# KiCad board SparkFun_Thing_Plus_ESP32-S3_panelized.kicad_pcb (continued)
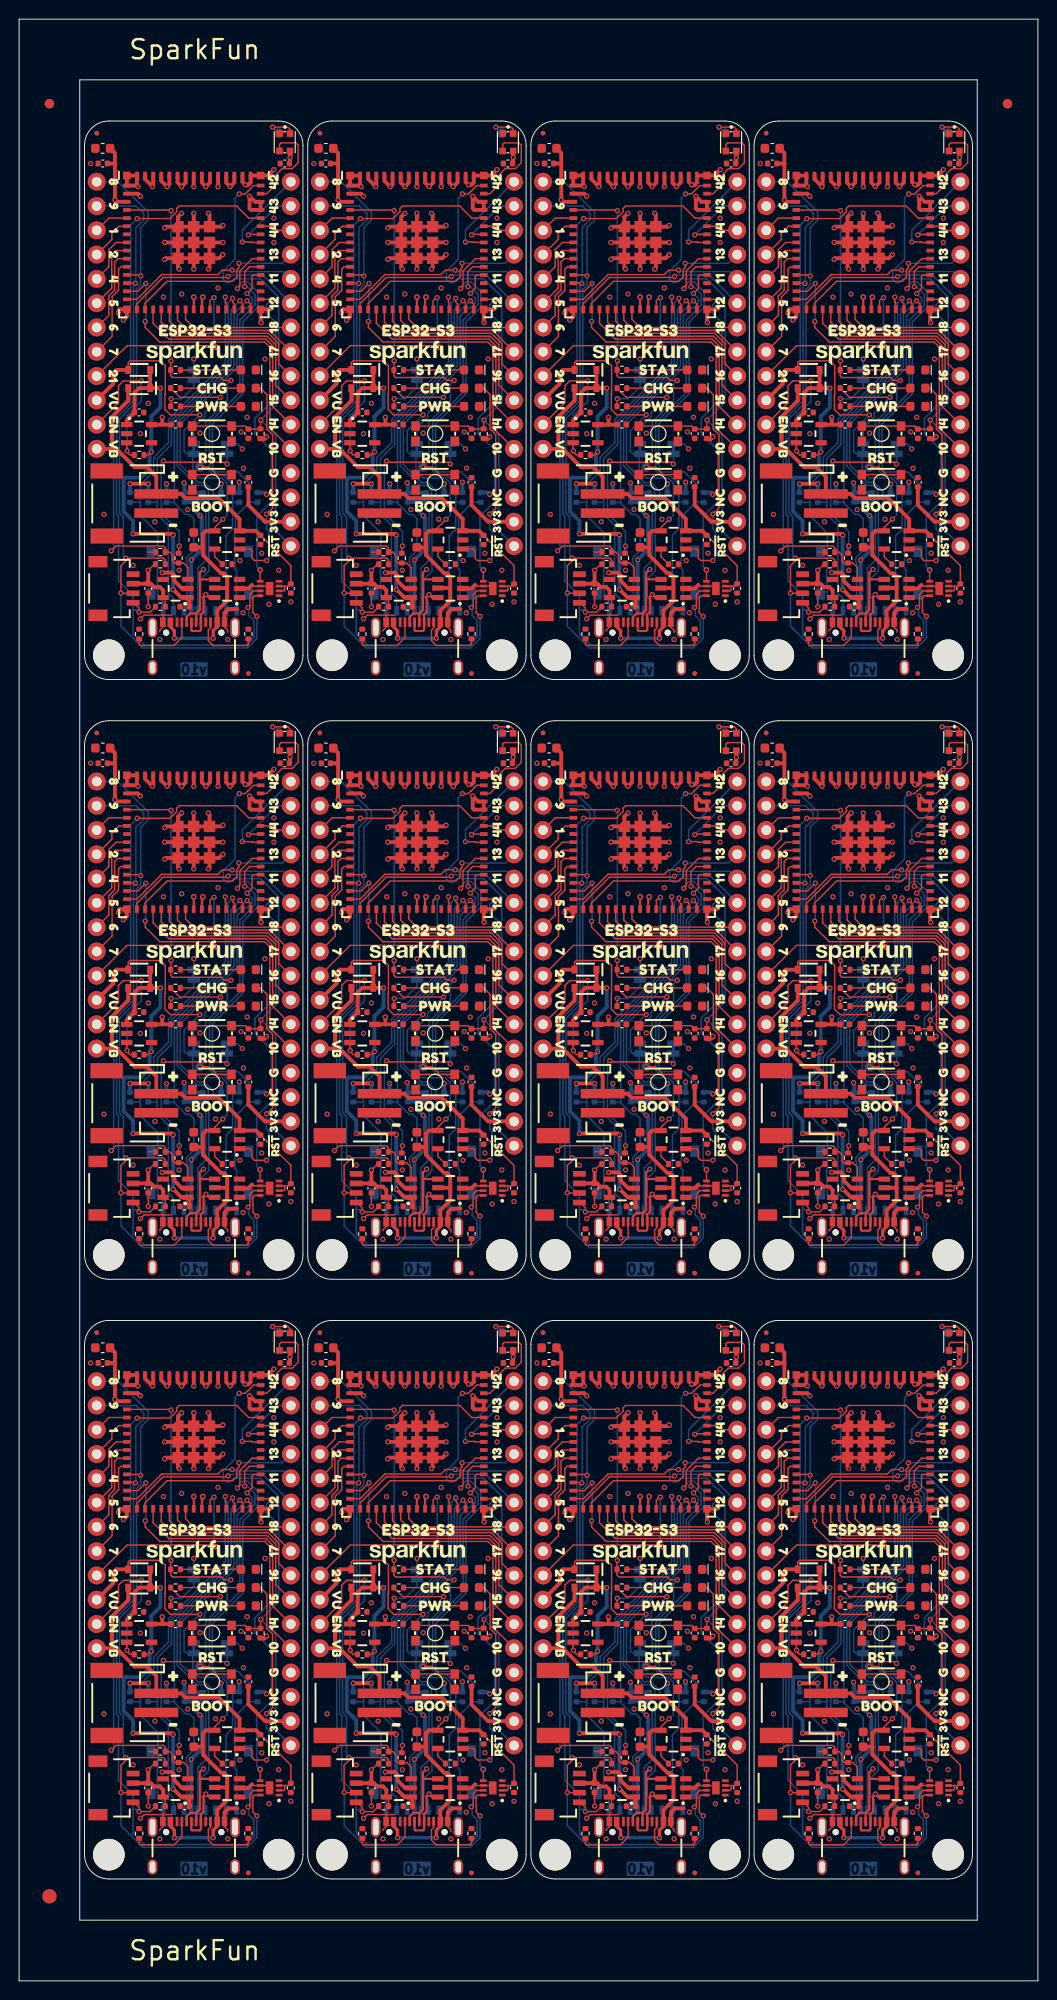
[diagram p0: board, top side]
## Routing (per net, layer and track width the routed paths; a pad name or vN(x,y) marks a point on that pad's centre or on a via; arc(x,y) is an arc through that point) (continued)
ESP8/SDA: length 961.3
  Top w0.152: v1(36.08,115.62) 35.99,115.71 U3#11.12 ; R15#6.2 38.66,85.9 38.47,86.09 v1(34.53,86.09) 34.53,85.8 34.02,85.3 v1(34.02,82.44) 34.04,82.42 35.37,82.42 ; U3#10.12 35.99,52.98 v1(36.08,52.89) ; v1(71.6,17.26) 71.19,17.68 71.19,19.23 71.39,19.44 U4#9.8 ; R15#11.2 85.38,23.17 85.19,23.36 v1(81.25,23.36) 81.25,23.07 80.74,22.57 v1(80.74,19.71) 80.76,19.69 82.09,19.69 ; 35.37,19.69 34.04,19.69 v1(34.02,19.71) 34.02,22.57 34.53,23.07 v1(34.53,23.36) 38.47,23.36 38.66,23.17 R15#5.2 ; U4#3.8 24.67,82.17 24.47,81.96 24.47,80.41 v1(24.88,79.99) ; v1(59.44,115.62) 59.35,115.71 U3#7.12 ; U4#8.8 48.03,19.44 47.83,19.23 47.83,17.68 v1(48.24,17.26) ; 12.01,82.42 10.68,82.42 v1(10.66,82.44) 10.66,85.3 11.17,85.8 v1(11.17,86.09) 15.11,86.09 15.3,85.9 R15#3.2 ; U4#4.8 48.03,82.17 47.83,81.96 47.83,80.41 v1(48.24,79.99) ; 58.73,145.15 57.4,145.15 v1(57.38,145.17) 57.38,148.03 57.89,148.53 v1(57.89,148.82) 61.82,148.82 62.02,148.63 R15#2.2 ; U3.12 82.71,52.98 v1(82.8,52.89) ; v1(12.72,52.89) 12.63,52.98 U3#12.12 ; v1(24.88,142.72) 24.47,143.14 24.47,144.69 24.67,144.9 U4#11.8 ; v1(12.72,178.35) 12.63,178.44 U3#2.12 ; 58.73,19.69 57.4,19.69 v1(57.38,19.71) 57.38,22.57 57.89,23.07 v1(57.89,23.36) 61.82,23.36 62.02,23.17 R15#7.2 ; 82.09,82.42 80.76,82.42 v1(80.74,82.44) 80.74,85.3 81.25,85.8 v1(81.25,86.09) 85.19,86.09 85.38,85.9 R15#9.2 ; R15#4.2 15.3,148.63 15.11,148.82 v1(11.17,148.82) 11.17,148.53 10.66,148.03 v1(10.66,145.17) 10.68,145.15 12.01,145.15 ; v1(94.96,79.99) 94.55,80.41 94.55,81.96 94.75,82.17 U4#2.8 ; R15#12.2 15.3,23.17 15.11,23.36 v1(11.17,23.36) 11.17,23.07 10.66,22.57 v1(10.66,19.71) 10.68,19.69 12.01,19.69 ; 82.09,145.15 80.76,145.15 v1(80.74,145.17) 80.74,148.03 81.25,148.53 v1(81.25,148.82) 85.19,148.82 85.38,148.63 R15#10.2 ; v1(71.6,142.72) 71.19,143.14 71.19,144.69 71.39,144.9 U4#6.8 ; v1(48.24,142.72) 47.83,143.14 47.83,144.69 48.03,144.9 U4#10.8 ; v1(94.96,17.26) 94.55,17.68 94.55,19.23 94.75,19.44 U4#7.8 ; v1(36.08,178.35) 35.99,178.44 U3#4.12 ; R15#8.2 62.02,85.9 61.82,86.09 v1(57.89,86.09) 57.89,85.8 57.38,85.3 v1(57.38,82.44) 57.4,82.42 58.73,82.42 ; 35.37,145.15 34.04,145.15 v1(34.02,145.17) 34.02,148.03 34.53,148.53 v1(34.53,148.82) 38.47,148.82 38.66,148.63 R15.2 ; v1(94.96,142.72) 94.55,143.14 94.55,144.69 94.75,144.9 U4.8 ; U4#12.8 24.67,19.44 24.47,19.23 24.47,17.68 v1(24.88,17.26) ; v1(59.44,178.35) 59.35,178.44 U3#8.12 ; U3#9.12 82.71,178.44 v1(82.8,178.35) ; v1(12.72,115.62) 12.63,115.71 U3#5.12 ; U3#3.12 59.35,52.98 v1(59.44,52.89) ; v1(82.8,115.62) 82.71,115.71 U3#6.12 ; U4#5.8 71.39,82.17 71.19,81.96 71.19,80.41 v1(71.6,79.99)
  Bottom w0.152: v1(48.24,79.99) 48.24,77.71 47.23,76.69 36.31,76.69 34.02,78.98 v1(34.02,82.44) ; v1(11.17,148.82) 10.91,149.07 10.91,153.11 10.51,153.52 10.51,163.38 12.28,165.16 12.28,176.94 12.72,177.37 v1(12.72,178.35) 12.72,183.4 13.52,184.19 13.52,185.01 10.34,188.19 U10#4.1 ; v1(71.6,17.26) 71.6,14.98 70.59,13.96 59.67,13.96 57.38,16.25 v1(57.38,19.71) ; U10#9.1 80.42,188.19 83.6,185.01 83.6,184.19 82.8,183.4 v1(82.8,178.35) 82.8,177.37 82.36,176.94 82.36,165.16 80.59,163.38 80.59,153.52 80.99,153.11 80.99,149.07 v1(81.25,148.82) ; v1(48.24,142.72) 48.24,140.44 47.23,139.42 36.31,139.42 34.02,141.71 v1(34.02,145.17) ; U10#6.1 33.7,188.19 36.88,185.01 36.88,184.19 36.08,183.4 v1(36.08,178.35) 36.08,177.37 35.64,176.94 35.64,165.16 33.87,163.38 33.87,153.52 34.27,153.11 34.27,149.07 v1(34.53,148.82) ; U10#5.1 33.7,125.46 36.88,122.28 36.88,121.46 36.08,120.67 v1(36.08,115.62) 36.08,114.64 35.64,114.21 35.64,102.43 33.87,100.65 33.87,90.79 34.27,90.38 34.27,86.34 v1(34.53,86.09) ; v1(80.74,82.44) 80.74,78.98 83.03,76.69 93.95,76.69 94.96,77.71 v1(94.96,79.99) ; v1(81.25,86.09) 80.99,86.34 80.99,90.38 80.59,90.79 80.59,100.65 82.36,102.43 82.36,114.21 82.8,114.64 v1(82.8,115.62) 82.8,120.67 83.6,121.46 83.6,122.28 80.42,125.46 U10#11.1 ; v1(57.89,23.36) 57.63,23.61 57.63,27.65 57.23,28.06 57.23,37.92 59,39.7 59,51.48 59.44,51.91 v1(59.44,52.89) 59.44,57.94 60.24,58.73 60.24,59.56 57.06,62.73 U10#7.1 ; v1(57.89,86.09) 57.63,86.34 57.63,90.38 57.23,90.79 57.23,100.65 59,102.43 59,114.21 59.44,114.64 v1(59.44,115.62) 59.44,120.67 60.24,121.46 60.24,122.28 57.06,125.46 U10#8.1 ; v1(11.17,23.36) 10.91,23.61 10.91,27.65 10.51,28.06 10.51,37.92 12.28,39.7 12.28,51.48 12.72,51.91 v1(12.72,52.89) 12.72,57.94 13.52,58.73 13.52,59.56 10.34,62.73 U10#12.1 ; v1(11.17,86.09) 10.91,86.34 10.91,90.38 10.51,90.79 10.51,100.65 12.28,102.43 12.28,114.21 12.72,114.64 v1(12.72,115.62) 12.72,120.67 13.52,121.46 13.52,122.28 10.34,125.46 U10.1 ; v1(57.89,148.82) 57.63,149.07 57.63,153.11 57.23,153.52 57.23,163.38 59,165.16 59,176.94 59.44,177.37 v1(59.44,178.35) 59.44,183.4 60.24,184.19 60.24,185.01 57.06,188.19 U10#2.1 ; v1(24.88,142.72) 24.88,140.44 23.87,139.42 12.95,139.42 10.66,141.71 v1(10.66,145.17) ; v1(24.88,79.99) 24.88,77.71 23.87,76.69 12.95,76.69 10.66,78.98 v1(10.66,82.44) ; v1(57.38,82.44) 57.38,78.98 59.67,76.69 70.59,76.69 71.6,77.71 v1(71.6,79.99) ; v1(57.38,145.17) 57.38,141.71 59.67,139.42 70.59,139.42 71.6,140.44 v1(71.6,142.72) ; v1(81.25,23.36) 80.99,23.61 80.99,27.65 80.59,28.06 80.59,37.92 82.36,39.7 82.36,51.48 82.8,51.91 v1(82.8,52.89) 82.8,57.94 83.6,58.73 83.6,59.56 80.42,62.73 U10#10.1 ; v1(80.74,145.17) 80.74,141.71 83.03,139.42 93.95,139.42 94.96,140.44 v1(94.96,142.72) ; U10#3.1 33.7,62.73 36.88,59.56 36.88,58.73 36.08,57.94 v1(36.08,52.89) 36.08,51.91 35.64,51.48 35.64,39.7 33.87,37.92 33.87,28.06 34.27,27.65 34.27,23.61 v1(34.53,23.36) ; v1(94.96,17.26) 94.96,14.98 93.95,13.96 83.03,13.96 80.74,16.25 v1(80.74,19.71) ; v1(34.02,19.71) 34.02,16.25 36.31,13.96 47.23,13.96 48.24,14.98 v1(48.24,17.26) ; v1(24.88,17.26) 24.88,14.98 23.87,13.96 12.95,13.96 10.66,16.25 v1(10.66,19.71)
ESP9/SCL: length 906.3
  Top w0.152: U4#11.7 24.54,145.4 24.17,145.02 24.17,143.84 23.99,143.66 v1(23.96,143.66) ; U3#9.13 82.23,177.59 v1(82.26,177.55) ; U4#8.7 47.9,19.94 47.53,19.56 47.53,18.38 47.35,18.2 v1(47.32,18.2) ; v1(70.68,80.93) 70.71,80.93 70.89,81.11 70.89,82.29 71.26,82.67 U4#5.7 ; U3#6.13 82.23,114.86 v1(82.26,114.82) ; R12#7.2 37.07,143.17 v1(35.91,143.17) 35.91,143.61 35.37,144.15 ; 58.73,144.15 59.27,143.61 v1(59.27,143.17) 60.43,143.17 R12#6.2 ; 58.73,18.69 59.27,18.15 v1(59.27,17.71) 60.43,17.71 R12#5.2 ; U4#10.7 47.9,145.4 47.53,145.02 47.53,143.84 47.35,143.66 v1(47.32,143.66) ; R12.2 13.71,143.17 v1(12.55,143.17) 12.55,143.61 12.01,144.15 ; U4#9.7 71.26,19.94 70.89,19.56 70.89,18.38 70.71,18.2 v1(70.68,18.2) ; U4#12.7 24.54,19.94 24.17,19.56 24.17,18.38 23.99,18.2 v1(23.96,18.2) ; v1(94.04,18.2) 94.07,18.2 94.25,18.38 94.25,19.56 94.62,19.94 U4#7.7 ; v1(35.54,177.55) 35.51,177.59 U3#4.13 ; v1(35.54,114.82) 35.51,114.86 U3#11.13 ; U3#10.13 35.51,52.13 v1(35.54,52.09) ; v1(82.26,52.09) 82.23,52.13 U3.13 ; R12#10.2 37.07,17.71 v1(35.91,17.71) 35.91,18.15 35.37,18.69 ; R12#2.2 83.79,17.71 v1(82.63,17.71) 82.63,18.15 82.09,18.69 ; U3#7.13 58.87,114.86 v1(58.9,114.82) ; R12#4.2 83.79,80.44 v1(82.63,80.44) 82.63,80.88 82.09,81.42 ; R12#8.2 83.79,143.17 v1(82.63,143.17) 82.63,143.61 82.09,144.15 ; v1(94.04,80.93) 94.07,80.93 94.25,81.11 94.25,82.29 94.62,82.67 U4#2.7 ; v1(23.96,80.93) 23.99,80.93 24.17,81.11 24.17,82.29 24.54,82.67 U4#3.7 ; U3#5.13 12.15,114.86 v1(12.18,114.82) ; R12#11.2 60.43,80.44 v1(59.27,80.44) 59.27,80.88 58.73,81.42 ; v1(12.18,177.55) 12.15,177.59 U3#2.13 ; U3#12.13 12.15,52.13 v1(12.18,52.09) ; v1(94.04,143.66) 94.07,143.66 94.25,143.84 94.25,145.02 94.62,145.4 U4.7 ; v1(70.68,143.66) 70.71,143.66 70.89,143.84 70.89,145.02 71.26,145.4 U4#6.7 ; v1(58.9,177.55) 58.87,177.59 U3#8.13 ; U3#3.13 58.87,52.13 v1(58.9,52.09) ; R12#12.2 13.71,17.71 v1(12.55,17.71) 12.55,18.15 12.01,18.69 ; R12#3.2 37.07,80.44 v1(35.91,80.44) 35.91,80.88 35.37,81.42 ; U4#4.7 47.9,82.67 47.53,82.29 47.53,81.11 47.35,80.93 v1(47.32,80.93) ; 12.01,81.42 12.55,80.88 v1(12.55,80.44) 13.71,80.44 R12#9.2
  Bottom w0.152: 47.35,81.01 47.42,81.01 47.42,80.1 47.94,79.58 47.94,77.83 47.1,77 36.43,77 35.29,78.14 35.29,80.66 ; 82.01,17.93 82.01,15.41 83.15,14.27 93.82,14.27 94.66,15.1 94.66,16.85 94.14,17.37 94.14,18.28 94.07,18.28 ; 82.01,17.93 82.01,19.46 80.49,20.99 80.49,27.73 80.28,27.94 80.28,38.05 82.06,39.83 82.06,51.89 v1(82.26,52.09) 82.3,52.13 82.3,57.94 83.12,58.76 83.12,59.4 82.33,60.19 U10#10.2 ; 82.01,17.93 82.41,17.93 v1(82.63,17.71) ; 11.93,143.39 12.33,143.39 v1(12.55,143.17) ; 11.93,143.39 11.93,140.87 13.07,139.73 23.74,139.73 24.58,140.56 24.58,142.31 24.06,142.83 24.06,143.74 24,143.74 ; 11.93,143.39 11.93,144.92 10.41,146.45 10.41,153.19 10.2,153.4 10.2,163.51 11.98,165.29 11.98,177.35 v1(12.18,177.55) 12.22,177.59 12.22,183.4 13.04,184.22 13.04,184.86 12.25,185.65 U10#4.2 ; 24,18.28 24.06,18.28 24.06,17.37 24.58,16.85 24.58,15.1 23.74,14.27 13.07,14.27 11.93,15.41 11.93,17.93 ; v1(59.27,80.44) 59.05,80.66 58.65,80.66 ; v1(59.27,17.71) 59.05,17.93 58.65,17.93 ; U10.2 12.25,122.92 13.04,122.13 13.04,121.49 12.22,120.67 12.22,114.86 v1(12.18,114.82) 11.98,114.62 11.98,102.56 10.2,100.78 10.2,90.67 10.41,90.46 10.41,83.72 11.93,82.19 11.93,80.66 ; 35.29,143.39 35.29,144.92 33.77,146.45 33.77,153.19 33.56,153.4 33.56,163.51 35.34,165.29 35.34,177.35 v1(35.54,177.55) 35.58,177.59 35.58,183.4 36.4,184.22 36.4,184.86 35.61,185.65 U10#6.2 ; 35.29,143.39 35.29,140.87 36.43,139.73 47.1,139.73 47.94,140.56 47.94,142.31 47.42,142.83 47.42,143.74 47.35,143.74 ; 35.29,143.39 35.69,143.39 v1(35.91,143.17) ; 11.93,17.93 11.93,19.46 10.41,20.99 10.41,27.73 10.2,27.94 10.2,38.05 11.98,39.83 11.98,51.89 v1(12.18,52.09) 12.22,52.13 12.22,57.94 13.04,58.76 13.04,59.4 12.25,60.19 U10#12.2 ; 11.93,17.93 12.33,17.93 v1(12.55,17.71) ; 58.65,143.39 59.05,143.39 v1(59.27,143.17) ; 58.65,143.39 58.65,144.92 57.13,146.45 57.13,153.19 56.92,153.4 56.92,163.51 58.7,165.29 58.7,177.35 v1(58.9,177.55) 58.94,177.59 58.94,183.4 59.76,184.22 59.76,184.86 58.97,185.65 U10#2.2 ; 58.65,143.39 58.65,140.87 59.79,139.73 70.46,139.73 71.3,140.56 71.3,142.31 70.78,142.83 70.78,143.74 70.72,143.74 ; 11.93,80.66 12.33,80.66 v1(12.55,80.44) ; 11.93,80.66 11.93,78.14 13.07,77 23.74,77 24.58,77.83 24.58,79.58 24.06,80.1 24.06,81.01 24,81.01 ; 94.07,143.74 94.14,143.74 94.14,142.83 94.66,142.31 94.66,140.56 93.82,139.73 83.15,139.73 82.01,140.87 82.01,143.39 ; 58.65,17.93 58.65,15.41 59.79,14.27 70.46,14.27 71.3,15.1 71.3,16.85 70.78,17.37 70.78,18.28 70.72,18.28 ; 58.65,17.93 58.65,19.46 57.13,20.99 57.13,27.73 56.92,27.94 56.92,38.05 58.7,39.83 58.7,51.89 v1(58.9,52.09) 58.94,52.13 58.94,57.94 59.76,58.76 59.76,59.4 58.97,60.19 U10#7.2 ; 35.29,17.93 35.29,19.46 33.77,20.99 33.77,27.73 33.56,27.94 33.56,38.05 35.34,39.83 35.34,51.89 v1(35.54,52.09) 35.58,52.13 35.58,57.94 36.4,58.76 36.4,59.4 35.61,60.19 U10#3.2 ; 35.29,17.93 35.29,15.41 36.43,14.27 47.1,14.27 47.94,15.1 47.94,16.85 47.42,17.37 47.42,18.28 47.35,18.28 ; 35.29,17.93 35.69,17.93 v1(35.91,17.71) ; 35.29,80.66 35.29,82.19 33.77,83.72 33.77,90.46 33.56,90.67 33.56,100.78 35.34,102.56 35.34,114.62 v1(35.54,114.82) 35.58,114.86 35.58,120.67 36.4,121.49 36.4,122.13 35.61,122.92 U10#5.2 ; 35.29,80.66 35.69,80.66 v1(35.91,80.44) ; 82.01,143.39 82.41,143.39 v1(82.63,143.17) ; 82.01,143.39 82.01,144.92 80.49,146.45 80.49,153.19 80.28,153.4 80.28,163.51 82.06,165.29 82.06,177.35 v1(82.26,177.55) 82.3,177.59 82.3,183.4 83.12,184.22 83.12,184.86 82.33,185.65 U10#9.2 ; U10#11.2 82.33,122.92 83.12,122.13 83.12,121.49 82.3,120.67 82.3,114.86 v1(82.26,114.82) 82.06,114.62 82.06,102.56 80.28,100.78 80.28,90.67 80.49,90.46 80.49,83.72 82.01,82.19 82.01,80.66 ; 82.01,80.66 82.41,80.66 v1(82.63,80.44) ; 82.01,80.66 82.01,78.14 83.15,77 93.82,77 94.66,77.83 94.66,79.58 94.14,80.1 94.14,81.01 94.07,81.01 ; 58.65,80.66 58.65,78.14 59.79,77 70.46,77 71.3,77.83 71.3,79.58 70.78,80.1 70.78,81.01 70.72,81.01 ; 58.65,80.66 58.65,82.19 57.13,83.72 57.13,90.46 56.92,90.67 56.92,100.78 58.7,102.56 58.7,114.62 v1(58.9,114.82) 58.94,114.86 58.94,120.67 59.76,121.49 59.76,122.13 58.97,122.92 U10#8.2
ESP10/A0: length 388.6
  Top w0.152: U10#5.24 49.6,99.72 49.6,108.15 49.06,108.7 38.08,108.7 36.56,110.22 v1(36.56,110.86) ; v1(59.98,114.82) 59.16,114.01 U3#7.14 ; v1(13.2,48.12) 13.2,47.49 14.72,45.97 25.7,45.97 26.24,45.42 26.24,36.99 U10#12.24 ; v1(13.26,177.55) 12.44,176.74 U3#2.14 ; v1(13.26,114.82) 12.44,114.01 U3#5.14 ; U3#4.14 35.8,176.74 v1(36.62,177.55) ; v1(83.34,114.82) 82.52,114.01 U3#6.14 ; v1(59.92,48.12) 59.92,47.49 61.44,45.97 72.42,45.97 72.96,45.42 72.96,36.99 U10#7.24 ; v1(13.26,52.09) 12.44,51.28 U3#12.14 ; v1(83.34,177.55) 82.52,176.74 U3#9.14 ; U10#2.24 72.96,162.45 72.96,170.88 72.42,171.43 61.44,171.43 59.92,172.95 v1(59.92,173.59) ; U3.14 82.52,51.28 v1(83.34,52.09) ; v1(59.98,52.09) 59.16,51.28 U3#3.14 ; v1(36.56,48.12) 36.56,47.49 38.08,45.97 49.06,45.97 49.6,45.42 49.6,36.99 U10#3.24 ; U3#10.14 35.8,51.28 v1(36.62,52.09) ; U3#11.14 35.8,114.01 v1(36.62,114.82) ; U10#4.24 26.24,162.45 26.24,170.88 25.7,171.43 14.72,171.43 13.2,172.95 v1(13.2,173.59) ; v1(36.56,173.59) 36.56,172.95 38.08,171.43 49.06,171.43 49.6,170.88 49.6,162.45 U10#6.24 ; U3#8.14 59.16,176.74 v1(59.98,177.55) ; U10#11.24 96.32,99.72 96.32,108.15 95.78,108.7 84.8,108.7 83.28,110.22 v1(83.28,110.86) ; v1(83.28,173.59) 83.28,172.95 84.8,171.43 95.78,171.43 96.32,170.88 96.32,162.45 U10#9.24 ; v1(59.92,110.86) 59.92,110.22 61.44,108.7 72.42,108.7 72.96,108.15 72.96,99.72 U10#8.24 ; v1(83.28,48.12) 83.28,47.49 84.8,45.97 95.78,45.97 96.32,45.42 96.32,36.99 U10#10.24 ; U10.24 26.24,99.72 26.24,108.15 25.7,108.7 14.72,108.7 13.2,110.22 v1(13.2,110.86)
  Bottom w0.152: v1(83.34,177.55) 83.34,173.64 v1(83.28,173.59) ; v1(13.2,48.12) 13.26,48.18 v1(13.26,52.09) ; v1(36.56,110.86) 36.62,110.91 v1(36.62,114.82) ; v1(83.34,52.09) 83.34,48.18 v1(83.28,48.12) ; v1(83.34,114.82) 83.34,110.91 v1(83.28,110.86) ; v1(36.56,173.59) 36.62,173.64 v1(36.62,177.55) ; v1(13.2,110.86) 13.26,110.91 v1(13.26,114.82) ; v1(59.98,52.09) 59.98,48.18 v1(59.92,48.12) ; v1(13.26,177.55) 13.26,173.64 v1(13.2,173.59) ; v1(59.92,173.59) 59.98,173.64 v1(59.98,177.55) ; v1(59.92,110.86) 59.98,110.91 v1(59.98,114.82) ; v1(36.62,52.09) 36.62,48.18 v1(36.56,48.12)
ESP11/PICO: length 225.7
  Top w0.152: U3#8.15 59.05,175.89 61.64,178.48 67.53,178.48 67.99,178.95 v1(69.01,178.95) ; v1(69.01,53.49) 67.99,53.49 67.53,53.02 61.64,53.02 59.05,50.43 U3#3.15 ; v1(22.29,116.22) 21.27,116.22 20.81,115.75 14.92,115.75 12.33,113.16 U3#5.15 ; v1(45.65,53.49) 44.63,53.49 44.17,53.02 38.28,53.02 35.69,50.43 U3#10.15 ; U3#7.15 59.05,113.16 61.64,115.75 67.53,115.75 67.99,116.22 v1(69.01,116.22) ; U3#9.15 82.41,175.89 85,178.48 90.89,178.48 91.35,178.95 v1(92.37,178.95) ; v1(22.29,53.49) 21.27,53.49 20.81,53.02 14.92,53.02 12.33,50.43 U3#12.15 ; U3#2.15 12.33,175.89 14.92,178.48 20.81,178.48 21.27,178.95 v1(22.29,178.95) ; v1(45.65,116.22) 44.63,116.22 44.17,115.75 38.28,115.75 35.69,113.16 U3#11.15 ; U3.15 82.41,50.43 85,53.02 90.89,53.02 91.35,53.49 v1(92.37,53.49) ; U3#4.15 35.69,175.89 38.28,178.48 44.17,178.48 44.63,178.95 v1(45.65,178.95) ; v1(92.37,116.22) 91.35,116.22 90.89,115.75 85,115.75 82.41,113.16 U3#6.15
  Bottom w0.152: v1(45.65,178.95) 45.81,178.79 51.04,178.79 U10#6.17 ; U10#9.17 97.76,178.79 92.53,178.79 v1(92.37,178.95) ; v1(92.37,116.22) 92.53,116.06 97.76,116.06 U10#11.17 ; U10#2.17 74.4,178.79 69.17,178.79 v1(69.01,178.95) ; v1(92.37,53.49) 92.53,53.33 97.76,53.33 U10#10.17 ; U10#8.17 74.4,116.06 69.17,116.06 v1(69.01,116.22) ; U10#7.17 74.4,53.33 69.17,53.33 v1(69.01,53.49) ; U10#12.17 27.68,53.33 22.45,53.33 v1(22.29,53.49) ; v1(22.29,178.95) 22.45,178.79 27.68,178.79 U10#4.17 ; U10#3.17 51.04,53.33 45.81,53.33 v1(45.65,53.49) ; v1(22.29,116.22) 22.45,116.06 27.68,116.06 U10.17 ; U10#5.17 51.04,116.06 45.81,116.06 v1(45.65,116.22)
ESP12/SCK: length 230.1
  Top w0.152: v1(45.24,52.82) 45.13,52.72 38.42,52.72 35.69,49.99 U3#10.16 ; U3#4.16 35.69,175.45 38.42,178.18 45.13,178.18 v1(45.24,178.28) ; U3#5.16 12.33,112.72 15.06,115.45 21.77,115.45 v1(21.88,115.55) ; U3#7.16 59.05,112.72 61.78,115.45 68.49,115.45 v1(68.6,115.55) ; U3#8.16 59.05,175.45 61.78,178.18 68.49,178.18 v1(68.6,178.28) ; v1(68.6,52.82) 68.49,52.72 61.78,52.72 59.05,49.99 U3#3.16 ; U3#12.16 12.33,49.99 15.06,52.72 21.77,52.72 v1(21.88,52.82) ; v1(45.24,115.55) 45.13,115.45 38.42,115.45 35.69,112.72 U3#11.16 ; v1(91.96,178.28) 91.85,178.18 85.14,178.18 82.41,175.45 U3#9.16 ; U3#2.16 12.33,175.45 15.06,178.18 21.77,178.18 v1(21.88,178.28) ; v1(91.96,52.82) 91.85,52.72 85.14,52.72 82.41,49.99 U3.16 ; v1(91.96,115.55) 91.85,115.45 85.14,115.45 82.41,112.72 U3#6.16
  Bottom w0.152: v1(45.24,115.55) 45.39,115.71 48.85,115.71 U10#5.18 ; v1(45.24,178.28) 45.39,178.44 48.85,178.44 U10#6.18 ; v1(68.6,52.82) 68.75,52.98 72.21,52.98 U10#7.18 ; U10#2.18 72.21,178.44 68.75,178.44 v1(68.6,178.28) ; v1(21.88,178.28) 22.03,178.44 25.49,178.44 U10#4.18 ; v1(21.88,115.55) 22.03,115.71 25.49,115.71 U10.18 ; U10#9.18 95.57,178.44 92.11,178.44 v1(91.96,178.28) ; v1(68.6,115.55) 68.75,115.71 72.21,115.71 U10#8.18 ; U10#12.18 25.49,52.98 22.03,52.98 v1(21.88,52.82) ; v1(91.96,115.55) 92.11,115.71 95.57,115.71 U10#11.18 ; U10#10.18 95.57,52.98 92.11,52.98 v1(91.96,52.82) ; v1(45.24,52.82) 45.39,52.98 48.85,52.98 U10#3.18
ESP13/POCI: length 224.7
  Top w0.152: v1(46.36,179.66) 46.36,179.19 46.16,179 46.16,178.23 45.7,177.78 38.85,177.78 36.54,175.47 U3#4.17 ; U3#10.17 36.54,50.01 38.85,52.32 45.7,52.32 46.16,52.77 46.16,53.54 46.36,53.73 v1(46.36,54.2) ; v1(23,116.93) 23,116.46 22.8,116.27 22.8,115.5 22.34,115.05 15.49,115.05 13.18,112.74 U3#5.17 ; v1(23,54.2) 23,53.73 22.8,53.54 22.8,52.77 22.34,52.32 15.49,52.32 13.18,50.01 U3#12.17 ; v1(93.08,116.93) 93.08,116.46 92.88,116.27 92.88,115.5 92.42,115.05 85.57,115.05 83.26,112.74 U3#6.17 ; v1(46.36,116.93) 46.36,116.46 46.16,116.27 46.16,115.5 45.7,115.05 38.85,115.05 36.54,112.74 U3#11.17 ; v1(69.72,54.2) 69.72,53.73 69.52,53.54 69.52,52.77 69.06,52.32 62.21,52.32 59.9,50.01 U3#3.17 ; U3#7.17 59.9,112.74 62.21,115.05 69.06,115.05 69.52,115.5 69.52,116.27 69.72,116.46 v1(69.72,116.93) ; U3#9.17 83.26,175.47 85.57,177.78 92.42,177.78 92.88,178.23 92.88,179 93.08,179.19 v1(93.08,179.66) ; v1(23,179.66) 23,179.19 22.8,179 22.8,178.23 22.34,177.78 15.49,177.78 13.18,175.47 U3#2.17 ; U3#8.17 59.9,175.47 62.21,177.78 69.06,177.78 69.52,178.23 69.52,179 69.72,179.19 v1(69.72,179.66) ; U3.17 83.26,50.01 85.57,52.32 92.42,52.32 92.88,52.77 92.88,53.54 93.08,53.73 v1(93.08,54.2)
  Bottom w0.152: v1(23,116.93) 27.53,116.93 U10.16 ; v1(93.08,179.66) 97.61,179.66 U10#9.16 ; v1(69.72,116.93) 74.25,116.93 U10#8.16 ; U10#11.16 97.61,116.93 v1(93.08,116.93) ; v1(69.72,179.66) 74.25,179.66 U10#2.16 ; v1(46.36,54.2) 50.89,54.2 U10#3.16 ; U10#10.16 97.61,54.2 v1(93.08,54.2) ; v1(23,179.66) 27.53,179.66 U10#4.16 ; U10#12.16 27.53,54.2 v1(23,54.2) ; v1(46.36,116.93) 50.89,116.93 U10#5.16 ; U10#7.16 74.25,54.2 v1(69.72,54.2) ; U10#6.16 50.89,179.66 v1(46.36,179.66)
ESP14/A1: length 287.5
  Top w0.152: U3#8.18 60.75,173.39 62.41,171.73 72.55,171.73 73.27,171.01 73.27,164.68 U10#2.23 ; U3#12.18 14.03,47.93 15.69,46.27 25.83,46.27 26.55,45.55 26.55,39.22 U10#12.23 ; U3#9.18 84.11,173.39 85.77,171.73 95.91,171.73 96.63,171.01 96.63,164.68 U10#9.23 ; U10#5.23 49.91,101.95 49.91,108.28 49.19,109 39.05,109 37.39,110.66 U3#11.18 ; U3#7.18 60.75,110.66 62.41,109 72.55,109 73.27,108.28 73.27,101.95 U10#8.23 ; U10#4.23 26.55,164.68 26.55,171.01 25.83,171.73 15.69,171.73 14.03,173.39 U3#2.18 ; U3.18 84.11,47.93 85.77,46.27 95.91,46.27 96.63,45.55 96.63,39.22 U10#10.23 ; U3#4.18 37.39,173.39 39.05,171.73 49.19,171.73 49.91,171.01 49.91,164.68 U10#6.23 ; U10#3.23 49.91,39.22 49.91,45.55 49.19,46.27 39.05,46.27 37.39,47.93 U3#10.18 ; U3#5.18 14.03,110.66 15.69,109 25.83,109 26.55,108.28 26.55,101.95 U10.23 ; U10#11.23 96.63,101.95 96.63,108.28 95.91,109 85.77,109 84.11,110.66 U3#6.18 ; U10#7.23 73.27,39.22 73.27,45.55 72.55,46.27 62.41,46.27 60.75,47.93 U3#3.18
ESP15/A2: length 249.1
  Top w0.152: U3#5.19 14.88,110.76 16.34,109.31 25.95,109.31 26.85,108.41 26.85,104.19 U10.22 ; U10#12.22 26.85,41.46 26.85,45.68 25.95,46.58 16.34,46.58 14.88,48.03 U3#12.19 ; U10#4.22 26.85,166.92 26.85,171.14 25.95,172.04 16.34,172.04 14.88,173.49 U3#2.19 ; U3#7.19 61.6,110.76 63.06,109.31 72.67,109.31 73.57,108.41 73.57,104.19 U10#8.22 ; U3#3.19 61.6,48.03 63.06,46.58 72.67,46.58 73.57,45.68 73.57,41.46 U10#7.22 ; U10#6.22 50.21,166.92 50.21,171.14 49.31,172.04 39.7,172.04 38.24,173.49 U3#4.19 ; U10#2.22 73.57,166.92 73.57,171.14 72.67,172.04 63.06,172.04 61.6,173.49 U3#8.19 ; U3#11.19 38.24,110.76 39.7,109.31 49.31,109.31 50.21,108.41 50.21,104.19 U10#5.22 ; U10#9.22 96.93,166.92 96.93,171.14 96.03,172.04 86.42,172.04 84.96,173.49 U3#9.19 ; U3.19 84.96,48.03 86.42,46.58 96.03,46.58 96.93,45.68 96.93,41.46 U10#10.22 ; U3#10.19 38.24,48.03 39.7,46.58 49.31,46.58 50.21,45.68 50.21,41.46 U10#3.22 ; U10#11.22 96.93,104.19 96.93,108.41 96.03,109.31 86.42,109.31 84.96,110.76 U3#6.19
ESP16/A3: length 210.7
  Top w0.152: U10#6.21 50.53,169.14 50.53,171.25 49.44,172.34 40.34,172.34 39.09,173.59 U3#4.20 ; U10#10.21 97.25,43.68 97.25,45.79 96.16,46.88 87.06,46.88 85.81,48.14 U3.20 ; U3#3.20 62.45,48.14 63.7,46.88 72.8,46.88 73.89,45.79 73.89,43.68 U10#7.21 ; U3#12.20 15.73,48.14 16.98,46.88 26.08,46.88 27.17,45.79 27.17,43.68 U10#12.21 ; U10#3.21 50.53,43.68 50.53,45.79 49.44,46.88 40.34,46.88 39.09,48.14 U3#10.20 ; U3#9.20 85.81,173.59 87.06,172.34 96.16,172.34 97.25,171.25 97.25,169.14 U10#9.21 ; U10#11.21 97.25,106.41 97.25,108.52 96.16,109.61 87.06,109.61 85.81,110.87 U3#6.20 ; U3#11.20 39.09,110.87 40.34,109.61 49.44,109.61 50.53,108.52 50.53,106.41 U10#5.21 ; U3#8.20 62.45,173.59 63.7,172.34 72.8,172.34 73.89,171.25 73.89,169.14 U10#2.21 ; U3#7.20 62.45,110.87 63.7,109.61 72.8,109.61 73.89,108.52 73.89,106.41 U10#8.21 ; U3#5.20 15.73,110.87 16.98,109.61 26.08,109.61 27.17,108.52 27.17,106.41 U10.21 ; U3#2.20 15.73,173.59 16.98,172.34 26.08,172.34 27.17,171.25 27.17,169.14 U10#4.21
ESP17/A4: length 172.4
  Top w0.152: U10#7.20 72.92,47.19 64.35,47.19 63.3,48.24 U3#3.21 ; U10#6.20 49.56,172.65 40.99,172.65 39.94,173.7 U3#4.21 ; U10#5.20 49.56,109.92 40.99,109.92 39.94,110.97 U3#11.21 ; U3#8.21 63.3,173.7 64.35,172.65 72.92,172.65 U10#2.20 ; U10#4.20 26.2,172.65 17.63,172.65 16.58,173.7 U3#2.21 ; U3.21 86.66,48.24 87.71,47.19 96.28,47.19 U10#10.20 ; U3#6.21 86.66,110.97 87.71,109.92 96.28,109.92 U10#11.20 ; U3#7.21 63.3,110.97 64.35,109.92 72.92,109.92 U10#8.20 ; U3#9.21 86.66,173.7 87.71,172.65 96.28,172.65 U10#9.20 ; U3#10.21 39.94,48.24 40.99,47.19 49.56,47.19 U10#3.20 ; U3#12.21 16.58,48.24 17.63,47.19 26.2,47.19 U10#12.20 ; U3#5.21 16.58,110.97 17.63,109.92 26.2,109.92 U10.20
ESP18/A5: length 148.8
  Top w0.152: U10#5.19 41.64,110.22 40.79,111.07 U3#11.22 ; U10#7.19 65,47.49 64.15,48.34 U3#3.22 ; U3#5.22 17.43,111.07 18.28,110.22 U10.19 ; U3#10.22 40.79,48.34 41.64,47.49 U10#3.19 ; U10#4.19 18.28,172.95 17.43,173.8 U3#2.22 ; U3#4.22 40.79,173.8 41.64,172.95 U10#6.19 ; U10#8.19 65,110.22 64.15,111.07 U3#7.22 ; U10#11.19 88.36,110.22 87.51,111.07 U3#6.22 ; U3#8.22 64.15,173.8 65,172.95 U10#2.19 ; U3#12.22 17.43,48.34 18.28,47.49 U10#12.19 ; U10#10.19 88.36,47.49 87.51,48.34 U3.22 ; U3#9.22 87.51,173.8 88.36,172.95 U10#9.19
ESP19/D-: length 473.5
  Top w0.229: U2#12.4 18.93,21.13 18.92,21.15 ; 18.53,143.04 17.89,143.04 17.53,142.67 J1#3.B7 ; 18.53,143.04 J1#3.A7 ; 18.53,143.04 18.92,143.42 18.92,146.61 ; J1#6.A7 41.89,143.04 ; 41.89,143.04 42.28,143.42 42.28,146.61 ; 41.89,143.04 41.25,143.04 40.89,142.67 J1#6.B7 ; U2#5.4 89.01,146.59 89,146.61 ; 65.63,146.61 65.63,143.42 65.25,143.04 ; 65.63,146.61 65.65,146.59 U2#3.4 ; 65.63,146.61 65.63,147.29 65.98,147.64 v1(66.02,147.64) ; U2#11.4 89.01,83.87 89,83.88 ; 65.25,17.58 64.62,17.58 64.25,17.21 J1#7.B7 ; 65.25,17.58 J1#7.A7 ; 65.25,17.58 65.63,17.96 65.63,21.15 ; U2#7.4 42.29,83.87 42.28,83.88 ; U3#2.23 v2(18.28,176.12) ; J1#11.B7 87.61,17.21 87.97,17.58 88.61,17.58 ; U3#8.23 v2(65,176.12) ; 18.53,17.58 17.89,17.58 17.53,17.21 J1#12.B7 ; 18.53,17.58 18.92,17.96 18.92,21.15 ; 18.53,17.58 J1#12.A7 ; U3#6.23 v2(88.36,113.4) ; U2.4 18.93,146.59 18.92,146.61 ; J1.B7 17.53,79.94 17.89,80.31 18.53,80.31 ; U2#10.4 89.01,21.13 89,21.15 ; v1(66.02,84.91) 65.98,84.91 65.63,84.56 65.63,83.88 ; J1#4.B7 40.89,17.21 41.25,17.58 41.89,17.58 ; J1#10.B7 87.61,142.67 87.97,143.04 88.61,143.04 ; 65.25,143.04 64.62,143.04 64.25,142.67 J1#8.B7 ; 65.25,143.04 J1#8.A7 ; 89,21.15 89,17.96 88.61,17.58 ; 89,21.15 89,21.83 89.34,22.18 v1(89.38,22.18) ; 89,83.88 89,80.69 88.61,80.31 ; 89,83.88 89,84.56 89.34,84.91 v1(89.38,84.91) ; J1#10.A7 88.61,143.04 ; 88.61,143.04 89,143.42 89,146.61 ; 65.63,21.15 65.65,21.13 U2#6.4 ; 65.63,21.15 65.63,21.83 65.98,22.18 v1(66.02,22.18) ; 42.28,21.15 42.28,21.83 42.62,22.18 v1(42.66,22.18) ; 42.28,21.15 42.29,21.13 U2#4.4 ; 42.28,21.15 42.28,17.96 41.89,17.58 ; 18.92,21.15 18.92,21.83 19.26,22.18 v1(19.3,22.18) ; U3.23 v2(88.36,50.67) ; 89,146.61 89,147.29 89.34,147.64 v1(89.38,147.64) ; 18.92,83.88 18.92,84.56 19.26,84.91 v1(19.3,84.91) ; 18.92,83.88 18.92,80.69 18.53,80.31 ; 18.92,83.88 18.93,83.87 U2#2.4 ; J1#9.A7 88.61,80.31 ; 88.61,80.31 87.97,80.31 87.61,79.94 J1#9.B7 ; 41.89,17.58 J1#4.A7 ; v1(19.3,147.64) 19.26,147.64 18.92,147.29 18.92,146.61 ; 65.25,80.31 65.63,80.69 65.63,83.88 ; 65.25,80.31 J1#2.A7 ; 65.25,80.31 64.62,80.31 64.25,79.94 J1#2.B7 ; U3#4.23 v2(41.64,176.12) ; U2#9.4 65.65,83.87 65.63,83.88 ; U3#10.23 v2(41.64,50.67) ; 18.53,80.31 J1.A7 ; 42.28,146.61 42.28,147.29 42.62,147.64 v1(42.66,147.64) ; 42.28,146.61 42.29,146.59 U2#8.4 ; 88.61,17.58 J1#11.A7 ; 41.89,80.31 41.25,80.31 40.89,79.94 J1#5.B7 ; 41.89,80.31 42.28,80.69 42.28,83.88 ; 41.89,80.31 J1#5.A7 ; 42.28,83.88 42.28,84.56 42.62,84.91 v1(42.66,84.91) ; U3#5.23 v2(18.28,113.4) ; U3#9.23 v2(88.36,176.12) ; U3#3.23 v2(65,50.67) ; U3#12.23 v2(18.28,50.67) ; U3#7.23 v2(65,113.4) ; U3#11.23 v2(41.64,113.4)
  In1.Cu - GND w0.229: v2(65,176.12) 66.21,174.92 66.21,147.83 v1(66.02,147.64) ; v2(88.36,113.4) 89.57,112.19 89.57,85.1 v1(89.38,84.91) ; v2(18.28,113.4) 19.49,112.19 19.49,85.1 v1(19.3,84.91) ; v1(42.66,147.64) 42.85,147.83 42.85,174.92 v2(41.64,176.12) ; v1(89.38,22.18) 89.57,22.37 89.57,49.46 v2(88.36,50.67) ; v1(19.3,22.18) 19.49,22.37 19.49,49.46 v2(18.28,50.67) ; v1(66.02,84.91) 66.21,85.1 66.21,112.19 v2(65,113.4) ; v2(88.36,176.12) 89.57,174.92 89.57,147.83 v1(89.38,147.64) ; v2(18.28,176.12) 19.49,174.92 19.49,147.83 v1(19.3,147.64) ; v1(66.02,22.18) 66.21,22.37 66.21,49.46 v2(65,50.67) ; v2(41.64,50.67) 42.85,49.46 42.85,22.37 v1(42.66,22.18) ; v1(42.66,84.91) 42.85,85.1 42.85,112.19 v2(41.64,113.4)